# KiCad board Lime_RFE.kicad_pcb (continued)
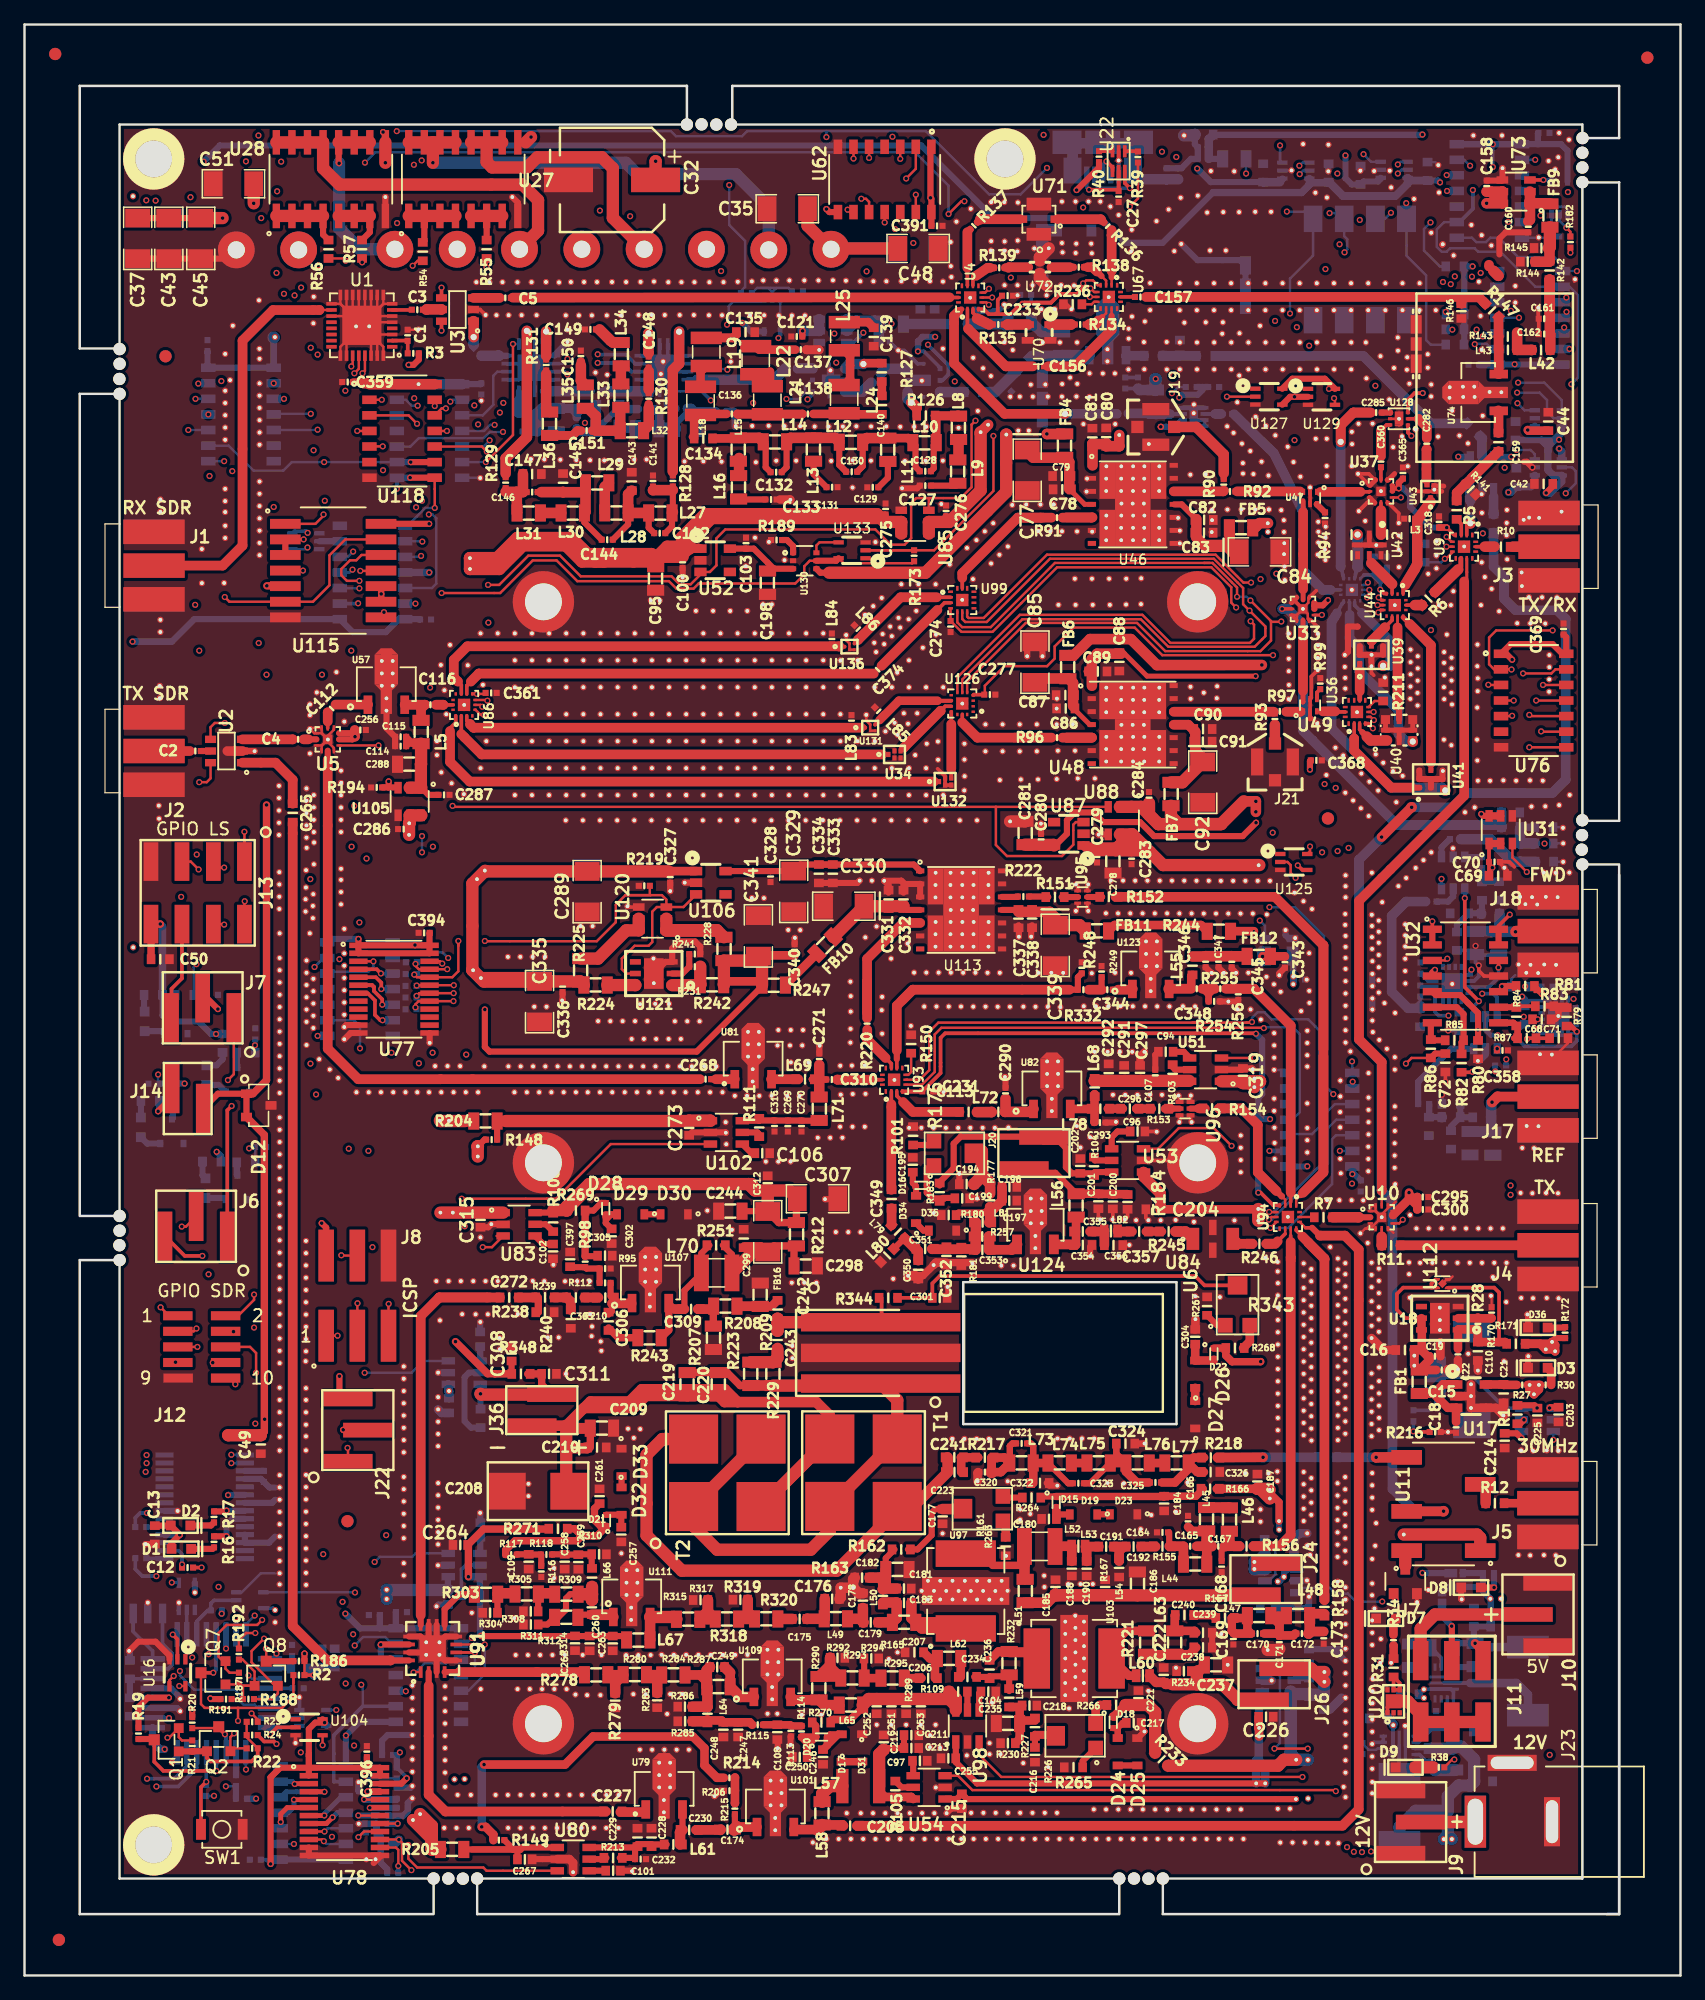
[diagram p0: board, top side]
## Routing (per net, layer and track width the routed paths; a pad name or vN(x,y) marks a point on that pad's centre or on a via; arc(x,y) is an arc through that point) (continued)
/RX_L/LNA_EN_2V5: length 42.5
  SIG1 w0.2: v1(59.4,128.16) 58.36,127.12 44.93,127.12 43.6,125.8 v1(39.01,125.8)
  SIG2 w0.2: v1(59.4,128.16) 59.4,130.83 57.27,132.96 v1(57.27,134.54)
  B w0.2: v1(39.01,125.8) 37.94,125.8 37.43,125.29 32.15,125.29 31.46,124.61 U60.10 ; v1(57.27,134.54) 57.4,134.67 57.4,136.04 57.78,136.42 60.04,136.42 U64.1
/RX_L/LNA_L/LNA_EN: length 9.8
  SIG1 w0.2: v1(61.46,133.45) 61.94,132.96 67.46,132.96 v1(68.38,133.88)
  B w0.2: v1(61.46,133.45) 61.6,133.59 U64.4
  B w0.3: v1(68.38,133.88) 67.58,133.08 U65.3
/RX_L/LNA_L/RF_OUT: length 2
  B w0.86: U63.6 74.65,129.04 R125.1
/RX_L/Notch/IN: length 3.4
  T w0.7: TRANS_VIA.1 72.73,127.75 R126.2
  T w0.86: 72.73,127.75 TRANS_VIA.1 ; 72.73,127.79 72.31,128.21
  B w0.86: TRANS_VIA.1 71.99,128.5 U63.1
/RX_L/Notch/OUT: length 3.2
  T w0.7: TRANS_VIA#2.1 68.45,131.4 R127.1
  B w0.86: U61.1 67.26,131.33 TRANS_VIA#2.1
/RX_L/NOTCH_2V5: length 44.2
  T w0.2: U62.3 v1(71.39,148.05)
  SIG1 w0.2: v1(73.65,132.9) 71.46,135.1 66.63,135.1 66.02,134.49 v1(66.02,133.82)
  SIG2 w0.2: v1(71.39,148.05) 73.27,146.17 73.27,137.43 73.65,137.05 v1(73.65,132.9) ; 62.11,133.8 62.71,134.39 ; 62.11,133.8 62.83,134.51 65.32,134.51 v1(66.02,133.82) ; 62.11,133.8 v1(62.11,128.48)
  B w0.2: v1(62.11,128.48) 63.14,128.48 63.62,128.96 63.62,129.48 64.16,130.02 U61.5
  B w0.3: v1(73.65,132.9) 75.3,131.25 75.3,130.48 74.83,130 U63.5
/RX_L/RF_L_IN: length 22.8
  B w0.79: 97.11,131.98 104.23,131.99 109.14,131.99 114.64,126.5 C294.1
/RX_L/RF_L_OUT: length 2.1
  B w0.5: U58.16 38.67,132.01 ; 37.26,132.01 C117.1 37.26,132.01
  B w0.86: 38.67,132.01 38.67,132.02 C117.1
/SCL: length 41.3
  T w0.2: v1(11.65,19.38) 11.79,19.38 Q1.S 12.57,19.42 12.84,19.15 R21.1 ; v1(12.31,49.98) 12.34,49.96 J12.7
  SIG1 w0.2: v1(11.65,19.38) 8.81,19.38 8.3,19.88 8.3,24.81 9.11,25.62 9.11,27.05 8.35,27.81 8.35,49.27 9.06,49.98 v1(12.31,49.98)
/SDA: length 35.2
  T w0.2: v1(17.09,19.73) 16.78,19.42 Q2.S 17.02,18.51 R22.1 ; v1(15.35,49.94) 15.36,49.96 J12.8
  SIG2 w0.2: v1(15.35,49.94) 15.65,49.64 15.65,35.62 16.68,34.59 16.68,28.61 17.04,28.25 17.04,26.04 16.78,25.79 16.78,20.04 v1(17.09,19.73)
/SW1_A: length 39.6
  T w0.2: U115.4 v1(22.7,114.5)
  T w0.3: v1(33.99,134.05) U3.6
  SIG1 w0.2: v1(22.01,136.93) 22.75,136.93 23.36,137.54 32.25,137.54 33.44,136.34 33.44,134.6 v1(33.99,134.05)
  SIG2 w0.2: v1(22.7,114.5) 22.01,115.18 v1(22.01,136.93)
/SW1_B: length 36
  T w0.2: U115.2 v1(22.75,117.04)
  T w0.3: v1(33.99,137.55) U3.4
  T w0.5: U115.2 U115.3
  SIG1 w0.2: v1(33.99,137.55) 33.5,138.04 23.03,138.04 v1(22.55,137.56)
  SIG2 w0.2: v1(22.75,117.04) 22.55,117.24 v1(22.55,137.56)
/SW2_V1: length 68.6
  T w0.2: v1(78.62,137.46) 78.31,137.15 U4.7
  SIG1 w0.2: v1(21.15,128.49) 21.13,128.49 ; v1(21.15,137.05) 22.54,138.44 35.34,138.44 36.31,137.46 v1(78.62,137.46)
  SIG2 w0.2: v1(21.15,137.05) v1(21.15,128.49)
  B w0.2: U117.3 v1(21.15,128.49)
/SW2_V2: length 76.7
  T w0.2: U4.6 v1(78.88,136.75)
  SIG1 w0.2: 30.96,132.66 v1(23.34,132.66) 30.96,132.66 ; 30.96,132.66 31.54,133.24 34.64,133.24 35.22,132.66 38.12,132.66 39.97,134.51 39.97,136.7 40.4,137.13 75.15,137.13 76.12,136.16 77.61,136.16 78.2,136.75 v1(78.88,136.75)
  SIG2 w0.2: v1(23.34,132.66) v1(23.34,127.27)
  B w0.2: v1(23.34,127.27) 20.36,127.27 U117.4
/SW2_V3: length 68.8
  T w0.2: v1(78.61,136.15) 78.41,136.35 U4.5
  SIG1 w0.2: v1(23.89,132.1) 30.93,132.1 31.64,132.81 34.44,132.81 35.02,132.23 38.35,132.23 41.17,135.05 41.17,136.37 41.55,136.75 74.9,136.75 75.86,135.78 78.24,135.78 v1(78.61,136.15)
  SIG2 w0.2: v1(23.89,132.1) v1(23.89,125.98)
  B w0.2: U117.5 23.87,125.95 v1(23.89,125.98)
/SW3_A: length 37.5
  T w0.2: v1(27.3,113.66) 26.28,113.66 25.82,114.12 25.82,114.63 26.54,115.34 27.04,115.34 27.48,115.77 U115.12 ; v1(14.24,97.25) 14.85,97.25 15.16,97.56 U2.6
  SIG1 w0.2: v1(14.24,107.97) v1(26.64,107.97)
  SIG2 w0.2: v1(26.64,107.97) 26.64,113.3 26.99,113.66 v1(27.3,113.66) ; v1(14.24,97.25) v1(14.24,107.97)
/SW3_B: length 29
  T w0.2: v1(16.32,112.34) 16.71,111.96 U115.6 23.51,111.96 24.86,113.3 24.86,115.74 26.15,117.04 U115.13 ; v1(16.32,102.08) 15.51,102.08 15.16,101.73 U2.4
  SIG2 w0.2: v1(16.32,102.08) v1(16.32,112.34)
/SW4_CTRL: length 22.7
  T w0.2: U5.7 28.86,100.24 v1(28.86,100.25)
  SIG2 w0.2: v1(32.33,115.69) 31.72,115.08 31.72,113.2 32.44,112.48 32.44,111.44 31.97,110.97 31.97,102.17 30.05,100.25 v1(28.86,100.25)
  B w0.2: v1(32.33,115.69) 32.25,115.62 U116.10
/SW5_A: length 122.4
  T w0.2: v1(29.3,111.11) 29.06,110.87 U115.8
  SIG1 w0.2: v1(31.77,128.54) 32.61,128.54 35.19,131.13 40.55,131.13 43.48,134.06 43.48,135.68 43.6,135.81 74.01,135.81 75.86,133.96 75.86,132.41 79.11,129.15 86.3,129.15 86.76,129.61 95.01,129.61 95.37,129.97 97.48,129.97 98.56,128.88 99.7,128.88 102.62,125.95 107.24,125.95 107.89,125.3 108.66,125.3 109.31,125.95 112.19,125.95 112.93,126.69 113.8,126.69 114.54,125.95 115.66,125.95 115.93,125.68 115.93,124.62 116.06,124.49 116.88,124.49 117.6,123.77 v1(121.2,123.77)
  SIG2 w0.2: v1(31.77,128.54) 31.51,128.29 31.51,124.53 30.75,123.77 30.75,121.84 31.03,121.56 31.03,117.09 30.19,116.25 30.19,112 v1(29.3,111.11)
  B w0.5: v1(121.2,123.77) 121.2,123.77 U8.6
/SW5_B: length 104.7
  T w0.5: 29.08,111.97 29.08,113.22 U115.10 29.06,112.61 v1(29.08,112.59) 29.08,111.97 ; 29.08,111.97 U115.9 29.08,111.97
  SIG1 w0.2: v1(29.23,122.68) 29.33,122.78 34.92,122.78 36.47,121.23 39.9,121.23 41.45,122.78 83.43,122.78 84.63,123.97 99.44,123.97 99.69,123.72 100.27,123.72 100.55,124 116.07,124 116.29,123.77 v1(116.88,123.77)
  SIG2 w0.2: 29.23,112.75 v1(29.08,112.59) 29.23,112.75 ; 29.23,112.75 v1(29.23,122.68)
  B w0.3: U8.4 v1(116.88,123.77)
  B w0.5: U8.4 v1(116.88,123.77)
/SW6_V2: length 255.5
  T w0.2: v1(24.3,18.77) 24.3,19.57 U104.4 ; U9.6 v1(115.92,116.44)
  SIG1 w0.2: v1(19.3,143.23) 19.65,143.58 45.61,143.58 47.47,145.44 68.98,145.44 74.36,140.05 75.51,140.05 76.22,139.34 87.37,139.34 88.05,140.03 94.67,140.03 95.74,141.09 v1(107.21,141.09)
  SIG2 w0.2: v1(19.3,143.23) 19.3,139.14 18.1,137.94 18.1,110.51 21,107.62 21,98.27 20.26,97.53 20.26,31.61 21,30.87 21,28.9 24.96,24.94 24.96,19.43 v1(24.3,18.77) ; 115.78,116.3 113.89,116.3 113.58,116.61 113.58,124.9 114.2,125.52 114.2,127.14 113.12,128.21 113.12,129.26 113.58,129.72 113.58,134.26 112.82,135.02 112.82,140.1 111.83,141.09 v1(107.21,141.09) ; 115.78,116.3 v1(115.92,116.44) 115.78,116.3
/SW6_V3: length 252
  T w0.2: v1(115.93,117.24) 116.33,116.84 U9.5
  SIG1 w0.2: v1(20.59,145.41) 37.33,145.41 38.37,146.45 69.92,146.45 74.62,141.75 78,141.75 78.38,142.13 89.48,142.13 91.03,143.68 92.5,143.68 93.11,143.07 v1(108.86,143.07)
  SIG2 w0.2: v1(20.59,145.41) 20.03,144.85 20.03,139.31 18.53,137.82 18.53,110.69 21.4,107.82 21.4,29.26 25.42,25.24 v1(25.42,21.64) ; v1(108.86,143.07) 110.51,143.07 113.23,140.36 113.23,135.33 113.94,134.62 113.94,129.61 113.42,129.1 113.42,128.55 114.5,127.47 114.5,125.2 113.94,124.63 113.94,117.98 114.47,117.45 115.73,117.45 v1(115.93,117.24)
  B w0.2: v1(25.42,21.64) 25.42,21.64 U108.4
/SW7_CTRL: length 174.7
  T w0.2: v1(112.36,61.59) 112.07,61.29 U10.7
  SIG1 w0.2: v1(14.99,127.22) 15,127.22 ; v1(112.36,61.59) 111.55,60.78 111.55,60.35 110.33,59.13 106.98,59.13 106.61,58.76 101.95,58.76 101.71,58.99 101,58.99 100.04,58.03 86.05,58.03 85.51,58.57 75.51,58.57 72.71,55.77 53.97,55.77 52.03,53.83 49.86,53.83 46.53,57.17 23.64,57.17 23.41,57.4 15.26,57.4 v1(15,57.15)
  SIG2 w0.2: v1(15,57.15) 14.99,57.16 14.99,75.98 14.66,76.31 14.66,78.07 14.99,78.4 14.99,117.74 14.55,118.18 14.55,126.79 v1(14.99,127.22)
/SWR_EN: length 150
  T w0.2: v1(122.47,89.94) 121.3,91.11 U31.3
  SIG1 w0.2: v1(122.47,89.94) 121.1,91.31 116.2,91.31 115.44,92.07 112.18,92.07 111.09,90.98 29.1,90.98 28.57,90.44 27.48,90.44 26.56,91.36 v1(14.04,91.36)
  SIG2 w0.2: v1(14.04,91.36) 13.35,92.05 13.35,121.09 12.93,121.51 12.93,125.53 v1(13.35,125.95)
  B w0.2: v1(13.35,125.95) U117.10
/SWR_Meter_Subsystem/SW_A: length 28.9
  T w0.3: v1(103.8,90.47) 104.17,90.1 U125.4
  SIG1 w0.2: v1(115.52,89.37) 113.47,89.37 112.37,90.47 v1(103.8,90.47)
  SIG1 w0.3: v1(118.83,80.01) 118.35,80.01
  SIG1 w0.4: v1(118.83,80.01) 118.35,80.01
  SIG2 w0.5: v1(115.52,89.37) 116.71,88.18 116.71,81.48 118.17,80.01 v1(118.83,80.01)
  B w0.3: v1(118.83,80.01) 119.74,80.01 120.05,79.7 U30.6 ; U29.6 v1(115.52,89.37)
/SWR_Meter_Subsystem/SW_B: length 140
  T w0.2: v1(103.62,89.45) 103.22,89.86 103.22,90.5 102.96,90.75 U125.2
  T w0.3: v1(118.56,79.4) 117.42,80.55 v1(117.42,87.8)
  SIG1 w0.2: v1(23.3,89.35) 23.86,88.79 31.3,88.79 31.68,88.41 37.29,88.41 39.23,90.35 99.63,90.35 100.08,89.9 103.18,89.9 v1(103.62,89.45) 105.93,87.15 110.02,87.15 110.25,86.91 113.1,86.91 113.99,87.8 v1(117.42,87.8)
  SIG2 w0.2: v1(23.07,116.38) 23.34,116.11 23.34,105.58 22.2,104.45 22.2,89.96 22.81,89.35 v1(23.3,89.35)
  B w0.2: v1(23.07,116.38) 22.93,116.24 U114.4
  B w0.3: v1(118.56,79.4) 118.15,79 U30.4 ; v1(117.42,87.8) U29.4
/SWR_SW_A: length 1.7
  B w0.5: U114.2 U116.6
/TOP_CTR_1/SW1_2V5: length 20.9
  T w0.2: v1(24.38,119.07) 24.38,118.97 23.72,118.31 U115.1
  SIG1 w0.2: v1(24.38,119.07) 24.43,119.12 32.91,119.12 v1(32.96,119.07)
  B w0.2: U116.12 33.22,113.08 33.57,113.43 33.57,118.77 33.27,119.07 v1(32.96,119.07)
/TOP_CTR_1/SW3_2V5: length 18
  T w0.6: U115.5 21.24,113.25 v1(19.75,113.25)
  SIG1 w0.6: v1(19.75,113.25) 24.28,113.25 26.36,115.34 28.44,115.34 29.43,114.35 v1(32.99,114.35)
  B w0.6: v1(32.99,114.35) U116.11
/TOP_CTR_1/SW5_2V5: length 34.7
  T w0.2: U115.11 29.04,114.47 v1(27.37,114.47)
  SIG1 w0.2: v1(27.37,114.47) 24.61,111.7 v1(13.91,111.7)
  SIG2 w0.2: v1(13.91,111.7) 13.94,111.73 13.94,121.24 13.31,121.86 13.31,125.08 13.94,125.7 v1(13.94,128.49) ; v1(27.37,114.47) 27.37,114.5
  B w0.2: U117.12 v1(13.94,128.49)
/TX_H2/LPF30/IN: length 2.7
  T w0.5: 77.73,42.22 77.75,42.21 ; 76.36,42.21 76.35,42.22
  T w0.7: 77.75,42.21 77.73,42.22 76.35,42.22 76.36,42.21 76.36,41.02
/TX_H2/LPF145/IN: length 1.2
  T w0.5: 92.21,34.95 92.23,34.97
  T w0.79: C192.1 92.21,34.95
/TX_H2/LPF145/OUT: length 28.6
  T w0.2: 103.22,60.81 103.22,60.29
  T w0.3: 103.22,60.29 103.22,59.78
  T w0.79: 103.22,58.53 103.22,58.29 ; 103.22,58.53 103.22,59.78 ; 103.22,58.53 103.22,35.88 102.32,34.98 100.17,34.98
/TX_H2/LPF435/IN: length 1.9
  T w0.7: R157.1 96.88,29.37 C240.1
/TX_H2/LPF435/OUT: length 33.2
  T w0.2: 103.67,60.81 103.67,60.69
  T w0.3: 104.17,60.23 103.67,60.73 103.67,60.81 ; 104.67,59.73 104.67,59.7
  T w0.79: 104.67,59.7 105.97,58.4 105.97,58.33 ; 105.97,58.33 105.97,58.43 104.17,60.23 ; 105.97,58.33 105.97,30.58
/TX_H2/LPF1280/IN: length 1.3
  T w0.7: 92.73,60.63 91.42,60.63
/TX_H2/LPF1280/OUT: length 2.3
  T w0.2: 102.77,60.45 102.77,60.81
  T w0.3: 102.16,59.83 102.77,60.45
  T w0.79: 102.16,59.83 101.96,59.63 101.22,59.63
/TX_H2/LPF2400/IN: length 1.6
  T w0.5: 83.46,87.89 83.42,87.93 R222.2
/TX_H2/LPF2400/OUT: length 58.7
  T w0.2: 104.04,63.6 104.04,63.6 103.67,63.24 U94.1
  T w0.5: 104.38,63.81 104.25,63.81 104.04,63.6 ; 105.89,65.45 105.89,65.56
  T w0.79: 105.89,74.89 105.89,65.45 104.23,63.79 ; 105.89,83.95 101.94,87.91 88.94,87.91 ; 105.89,83.95 105.89,75.5 ; 105.89,83.95 105.89,65.56
/TX_H2/LPF3500/IN: length 1.3
  T w0.7: 91.9,70.64 90.64,70.64 90.63,70.65
/TX_H2/LPF3500/OUT: length 11.9
  T w0.2: 102.08,63.93 102.06,63.93 102.08,63.93 ; 102.08,63.93 102.77,63.23 U94.3
  T w0.5: 102.06,63.93 102.49,63.5 102.51,63.5
  T w0.79: 97.36,70.66 99.2,70.66 100.54,69.32 100.54,65.45 102.06,63.93
/TX_H2/PA1_EN_2V5: length 2.9
  T w0.3: v1(29.06,81.66) 28.71,82.01 U77.4
  B w0.3: v1(29.06,81.66) 29.06,81.66 U75.3
/TX_H2/PA1_EN_5V: length 42.4
  T w0.2: v1(37.53,84.31) 37.55,84.29 46.65,84.29 48.2,85.84 48.2,87.26 48.99,88.04 ; 35.37,83.93 35.37,81.85 34.88,81.36 U77.20 ; 35.37,83.93 35.37,84.18 ; 35.37,83.93 v1(35.37,84.31) ; U106.3 53.72,87.08 U120.3 ; 48.99,88.04 51.01,88.04 50.98,88.08 R219.2 ; 48.99,88.04 51.96,88.04 52.32,87.68 U120.3 ; U120.3 51.55,87.08 51.17,86.7 51.17,84.22 50.87,83.92 49.74,83.92 48.7,82.88 48.7,82.01 49.05,81.66 U121.5 ; U120.3 52.32,87.12 ; 32.2,81.35 33.01,81.35 U77.20 ; v1(31.77,81.57) 31.99,81.36 U77.20
  SIG1 w0.2: v1(37.53,84.31) v1(35.37,84.31)
  B w0.2: v1(31.77,81.57) 31.81,81.61 R160.2
/TX_H2/PA2_EN_2V5: length 3.5
  T w0.3: U77.5 28.64,81.36 29.09,80.91 v1(29.09,80.39)
  B w0.3: v1(29.09,80.39) 29.09,80.39 U75.4
/TX_H2/PA2_EN_5V: length 76.5
  T w0.2: v1(34.99,80.7) 34.99,80.71 U77.19 ; 32.19,80.7 33.01,80.7 U77.19 ; v1(31.97,80.68) 32,80.71 U77.19
  SIG1 w0.2: v1(100.7,85.97) 100.7,87.1 100.22,87.59 85.78,87.59 80.94,82.75 71.76,82.75 70.82,83.69 37.51,83.69 34.99,81.17 v1(34.99,80.7)
  B w0.2: v1(31.97,80.68) 31.96,80.67 R164.2 ; v1(100.7,85.97) 101.12,85.56 U122.3
/TX_H2/PA3_EN_2V5: length 5.1
  T w0.3: v1(29.16,79.12) 29.16,79.55 28.49,80.23 28.49,80.54 ; 28.05,80.71 28.35,80.71 28.49,80.57 28.49,80.54 ; 28.05,80.71 U77.6 27.94,80.71 ; 28.05,80.71 28.32,80.71 28.49,80.54
  B w0.3: v1(29.16,79.12) U75.5
/TX_H2/PA3_EN_5V: length 86.4
  T w0.2: U77.18 32.17,80.06 ; U77.18 32.18,80.06 v1(31.97,79.84) ; U77.18 v1(34.98,80.06) ; U51.3 v1(100.28,74.77)
  SIG1 w0.2: v1(100.28,74.77) 100.79,74.27 102.13,74.27 102.49,74.62 102.49,77.69 101.64,78.53 100.53,78.53 100.2,78.2 98.44,78.2 98.27,78.38 71.7,78.38 70.82,79.26 59.24,79.26 55.16,75.18 37.17,75.18 36.01,76.34 36.01,79.56 35.51,80.06 v1(34.98,80.06)
  B w0.2: v1(31.97,79.84) 31.96,79.84 R169.2
/TX_H2/PA4_EN_2V5: length 4.4
  T w0.3: v1(29.19,77.85) 29,77.85 28.57,78.28 28.57,79.46 27.97,80.06 U77.7
  B w0.3: v1(29.19,77.85) 29.19,77.85 U75.6
/TX_H2/PA4_EN_5V: length 102.2
  T w0.2: v1(98.4,67.61) 96.96,69.06 94.1,69.06 92.42,67.38 U53.3 ; v1(34.97,79.41) 34.97,79.41 U77.17 ; 32.17,79.41 33.01,79.41 U77.17 ; v1(31.87,78.9) 31.87,79.15 32.12,79.41 U77.17
  SIG1 w0.2: v1(35.88,61.06) 37.41,61.06 38.41,60.05 64.58,60.05 72.66,68.13 72.66,69.82 73.25,70.4 81.63,70.4 82.49,69.54 84.55,69.54 85.62,70.61 91.79,70.61 93.43,68.97 97.05,68.97 v1(98.4,67.61)
  SIG2 w0.2: v1(35.88,61.06) 36.21,61.39 36.21,70.28 35.48,71.01 35.48,72.41 34.97,72.92 v1(34.97,79.41)
  B w0.2: v1(31.87,78.9) 31.96,78.81 R195.2
/TX_H2/PA5_EN_2V5: length 3.7
  T w0.4: v1(24.44,13.04) 24.43,13.03 U78.7
  B w0.4: v1(24.44,13.04) 24.44,13.17 25.8,14.53 U92.10
/TX_H2/PA5_EN_5V: length 118.1
  T w0.2: v1(30.42,12.38) 30.42,12.38 U78.17 ; v1(106.9,15.02) 106.81,15.11 77.27,15.11 76.1,16.28 U54.3
  SIG1 w0.2: v1(107.82,10.46) 107.42,10.07 33.51,10.07 31.2,12.38 v1(30.42,12.38)
  SIG2 w0.2: v1(106.9,15.02) 106.9,13.91 107.82,13 v1(107.82,10.46)
  B w0.5: v1(30.42,12.38) 30.4,12.35 R200.2
/TX_H2/PA6_EN_2V5: length 3.4
  T w0.4: v1(25.11,12.89) 24.61,12.38 U78.8
  B w0.4: v1(25.11,12.89) 25.48,13.26 U92.11
/TX_H2/PA6_EN_5V: length 108.5
  T w0.2: v1(27.22,11.27) 27.68,11.73 U78.16 ; v1(104.62,18.49) v1(101.9,18.49)
  SIG1 w0.2: v1(109.03,10.05) 108.39,9.41 29.57,9.41 27.7,11.27 v1(27.22,11.27)
  SIG2 w0.2: v1(104.62,18.49) 106.09,17.01 108.35,17.01 109.03,16.33 v1(109.03,10.05)
  B w0.2: v1(101.9,18.49) 102.34,18.93 102.34,24.44 101.75,25.03 100.62,25.03 ; 27.6,11.65 v1(27.22,11.27) 27.6,11.65 ; 27.6,11.65 R201.2
/TX_H2/PA7_EN_2V5: length 3.1
  T w0.2: v1(24.45,11.73) U78.9
  B w0.2: v1(24.45,11.73) 24.71,11.99 U92.12
/TX_H2/PA7_EN_5V: length 113.3
  T w0.2: v1(31.54,8.58) 30.77,9.35 30.77,10.82 v1(30.52,11.07) 30.51,11.08 U78.15
  SIG1 w0.2: v1(109.77,10.1) 108.73,9.06 32.02,9.06 v1(31.54,8.58)
  SIG2 w0.2: v1(110.69,30.48) 109.73,30.48 109.36,30.11 109.36,10.51 v1(109.77,10.1)
  B w0.2: v1(110.69,30.48) 108.54,30.48 107.89,31.12 106.88,31.12 106.41,31.59 104.11,31.59 U50.3
  B w0.7: v1(30.52,11.07) 30.15,10.69 R202.2
/TX_H2/PA8_EN_2V5: length 3.2
  T w0.2: v1(24.4,10.94) 24.26,11.08 U78.10
  B w0.2: v1(24.4,10.94) 24.63,10.72 U92.13
/TX_H2/PA8_EN_5V: length 56.6
  T w0.2: v1(30.47,8.92) 30.47,10.23 30.27,10.43 U78.14
  SIG1 w0.2: v1(30.47,8.92) 27.13,8.92 25.06,10.99 v1(25.06,11.3)
  SIG2 w0.2: v1(27.73,49.12) 27.73,34.72 27.5,34.49 27.5,30.25 28.01,29.74 28.01,23.44 27.5,22.93 27.5,18.51 25.72,16.73 25.72,11.96 v1(25.06,11.3)
  B w0.2: v1(27.73,49.12) 31.55,49.12 32.51,50.08 U56.3
  B w0.3: v1(30.47,8.92) 30.46,8.92 R203.2
/TX_H2/PA30/RF_IN: length 3.1
  T w0.5: 56.16,54.52 R208.2
  T w0.6: 55.94,54.31 R208.2 56.16,54.52 R207.2
  T w0.79: 54.89,54.31 55.94,54.31
/TX_H2/PA145/RF_IN: length 1.2
  T w0.86: C175.2 R320.1
/TX_H2/PA435/RF_IN: length 1.4
  T w0.7: R295.1 73.13,24.23
/TX_H2/PA1000/RF_IN: length 2
  T w0.79: 54.74,11.86 56.73,11.86
  T w0.86: 56.73,11.86 56.76,11.89
/TX_H2/PA1000/RF_OUT: length 92.9
  T w0.2: U94.12 104.43,60.93
  T w0.3: 104.43,60.93 104.97,60.93
  T w0.5: 105.61,60.3 104.97,60.93
  T w0.79: 67.85,12.2 107.44,12.2 108.77,13.53 108.77,59.16 107.64,60.3 105.61,60.3
/TX_H2/PA1280/RF_IN: length 8.4
  T w0.2: 70.68,70.99 70.66,71.01
  T w0.3: 70.66,70.77 70.72,70.77 70.72,70.95 70.66,71.01 U93.2
  T w0.5: 70.66,71.01 70.68,70.99
  T w0.79: 70.66,64.03 70.66,71.01
/TX_H2/PA2400/RF_IN: length 4.6
  T w0.2: 70.66,74.31 70.2,74.78
  T w0.3: 70.2,74.78 70.66,74.31 U93.10
  T w0.79: 68.7,77.08 68.7,76.27 70.2,74.78
/TX_H2/PA2400/VREF: length 17.5
  T w0.5: 73,90.01 U113.1 72.5,90.54 C334.1 ; C334.1 C333.1 ; C334.1 63.24,90.54 C329.1 60.82,90.01 C328.1 60.81,90.01 U106.5
/TX_H2/PA3500/RF_IN: length 6.7
  T w0.2: 71.11,71.69 71.62,71.18
  T w0.3: 71.62,71.18 71.11,71.69 U93.3
  T w0.79: 71.62,71.18 72.42,70.38 C231.2
/TX_H2/PA4000/RF_IN: length 23.9
  T w0.2: 71.11,73.89 71.11,74.68
  T w0.3: 71.11,74.68 71.11,74.68 U93.9
  T w0.5: R248.1 85.87,81.36 R332.2 85.18,80.34 ; 71.11,74.68 71.11,75.39
  T w0.79: 72.42,80.34 71.55,79.47 ; 72.42,80.34 71.11,79.04 71.11,75.39 ; 72.42,80.34 85.18,80.34
/TX_H2/PA4000/RF_OUT: length 22.8
  T w0.2: 103.22,62.68 103.22,63.05 U94.2
  T w0.3: 103.22,63.05 103.22,63.81
  T w0.79: 100.22,80.42 103.22,77.41 103.22,63.81 ; 100.22,80.42 100.22,80.41 R256.1 ; 100.22,80.42 R255.1
/TX_H2/PDRIV30/RF_IN: length 36.4
  T w0.5: 32.32,29.38 32.3,29.36 U91.12
  T w0.79: 33.81,55.26 32.3,53.74 32.3,29.36 ; 33.81,55.26 37.92,55.26 ; 33.81,55.26 33.81,55.25 C272.2
/TX_H2/PDRIV145/RF_IN: length 4.2
  T w0.5: U91.9 34.25,29.85 35.47,31.07 R303.1
/TX_H2/PDRIV435/RF_IN: length 11.9
  T w0.5: U91.4 35.45,24.73
  T w0.79: 41.74,24.73 41.87,24.73 ; 41.74,24.73 35.45,24.73 ; 41.74,24.73 45.43,24.73
  T w0.86: 45.43,24.73 R278.1 45.43,24.73
/TX_H2/PDRIV1000/PRED_VDD: length 13.9
  T w0.5: R149.2 39.88,10.27 39.87,10.27 36.51,10.27 ; 40.57,10.43 40.41,10.27 40.31,10.27 40.18,10.14 C267.2 ; 40.57,10.43 40.41,10.27 R205.1 ; 40.57,10.43 U80.1
  T w0.6: 40.41,10.27 39.88,10.27
/TX_H2/PDRIV1000/RF_IN: length 25
  T w0.5: 32.95,23.6 32.95,23.61 U91.2
  T w0.79: 47.41,13.36 34.32,13.36 32.95,14.73 32.95,23.61
/TX_H2/PDRIV_1_EN_2V5: length 2.4
  T w0.4: v1(22.03,15.6) 22.05,15.63 U78.3
  B w0.4: v1(22.03,15.6) 21.83,15.8 U92.6
/TX_H2/PDRIV_1_EN_5V: length 26.6
  T w0.2: v1(31.29,10.64) 31.29,9.52 32.01,8.8 37.4,8.8 37.67,8.53 U80.3
  T w0.5: 27.98,14.98 v1(27.97,14.99) 28.97,14.99 U78.21 27.98,14.98
  SIG2 w0.2: 29.84,10.51 28.09,10.51 27.68,10.92 27.68,11.53 28.01,11.86 28.01,13.08 26.92,14.17 26.92,14.7 27.21,14.99 v1(27.97,14.99) ; 29.84,10.51 31.23,10.51 ; 29.84,10.51 31.16,10.51 v1(31.29,10.64)
  B w0.5: v1(27.97,14.99) 28.13,14.99
/TX_H2/PDRIV_2_EN_2V5: length 5
  T w0.4: v1(24.45,14.97) 24.44,14.98 U78.4
  B w0.4: v1(24.45,14.97) 21.32,14.97 U92.5
/TX_H2/PDRIV_2_EN_5V: length 129.4
  T w0.2: v1(27.68,14.35) 27.69,14.33 U78.20 ; v1(104.18,16.18) 104.18,16.18 79.63,16.18 77.82,17.98 U98.3
  SIG1 w0.2: v1(108.37,10.08) 108.01,9.71 29.95,9.71 29.02,10.64 29.02,13.99 28.67,14.35 v1(27.68,14.35)
  SIG2 w0.2: v1(104.18,16.18) 104.36,16 107.71,16 108.37,15.34 v1(108.37,10.08)
  B w0.5: R197.2 30.28,14.35 v1(27.68,14.35) 27.71,14.32 30.35,14.32
/TX_H2/PDRIV_3_EN_2V5: length 3.5
  T w0.4: v1(21.96,14.32) 21.97,14.33 U78.5
  B w0.4: v1(21.96,14.32) 21.96,13.74 21.48,13.26 U92.4 21.28,13.26
/TX_H2/PDRIV_3_EN_5V: length 30.6
  T w0.2: v1(28.15,13.66) 28.17,13.68 U78.19
  SIG2 w0.2: v1(28.54,33.7) 28.54,30.53 29.84,29.23 29.84,23.69 28.54,22.4 28.54,14.05 v1(28.15,13.66)
  B w0.2: v1(28.54,33.7) 28.96,34.12 31.6,34.12 31.88,34.4 U100.3
  B w0.5: R198.2 v1(28.15,13.66)
/TX_H2/PDRIV_4_EN_2V5: length 3.7
  T w0.4: v1(20.88,12.5) 20.88,13.15 21.41,13.68 U78.6
  B w0.4: v1(20.88,12.5) 20.88,12.5 U92.3
/TX_H2/PDRIV_4_EN_5V: length 63
  T w0.2: v1(27.21,13.04) 27.22,13.03 U78.18 ; v1(37.36,59.36) 38.11,59.36 U83.3 38.49,60.27
  SIG1 w0.2: v1(37.36,59.36) v1(28.36,59.36)
  SIG2 w0.2: v1(28.36,59.36) 28.36,34.56 28.01,34.21 28.01,30.45 28.42,30.04 28.42,23.13 28.01,22.73 28.01,18.28 27.93,18.28 27.96,18.26 28.01,18.26 26.31,16.56 26.31,13.64 26.9,13.04 v1(27.21,13.04)
  B w0.5: v1(27.21,13.04) 28.68,13.04 R199.2
/TX_H2/PDRIV_H_EN_2V5: length 5.6
  T w0.2: v1(28.44,82.65) 28.43,82.66 U77.3
  B w0.2: U75.12 24.84,81.81 28.03,81.81 28.44,82.22 v1(28.44,82.65)
/TX_H2/PDRIV_H_EN_5V: length 45.6
  T w0.2: v1(34.46,82.01) 34.45,82.01 U77.21 ; U77.21 32.14,82.01 31.87,82.27 v1(31.87,82.44) ; U77.21 33.01,82 32.2,82 ; U102.3 47.79,67.76 43.34,63.3 v1(35.64,63.3)
  SIG2 w0.2: v1(35.64,63.3) 35.64,69.55 34.49,70.71 34.49,72.77 34,73.25 34,75.33 34.46,75.79 v1(34.46,82.01)
  B w0.2: v1(31.87,82.44) 31.98,82.55 R159.2
/TX_H2/PREDRIVER_H/PRED_VDD: length 20.7
  T w0.5: C273.2 54.19,69.66 U102.1 ; 39.23,69.64 39.21,69.61 39.23,69.64 ; 39.23,69.64 R204.1 R148.2
  T w1: U102.1 55.9,69.67 C273.2 54.15,69.64 39.23,69.64
/TX_H2/PREDRIVER_H/RF_OUT: length 3.8
  T w0.1: 69,73 69,73
  T w0.2: 69.11,73 69,73
  T w0.3: U93.13 69.11,73
  T w0.79: 69.11,73 66.28,73 C310.2
/TX_H2/RF_30MHz_OUT: length 8.2
  T w0.79: 97.25,42.21 v1(100.97,42.23)
  B w0.79: R8.2 100.98,42.24
  B w0.86: 100.98,42.24 v1(100.97,42.23)
/TX_H2/RF_H_IN: length 55.9
  T w0.5: 24.72,93.7 24.72,93.51 ; 24.72,99.09 U5.5
  T w0.79: 24.72,99.09 24.72,75.53 27.21,73.04 33.92,73.04 33.92,73.05 C268.1
/TX_H2/RF_L_IN: length 76.1
  T w0.5: 29.84,25.68 U91.16
  T w0.79: 29.83,25.67 29.84,25.68 24.67,25.68 21.86,28.48 21.86,93.94
/TX_H2/RF_OUT: length 1
  T w0.2: 104.97,61.83 104.95,61.81 U94.13
/TX_H2/SW_IN_H_V2_2V5: length 50.8
  T w0.2: 95.43,77.66 95.21,77.66 95.7,77.66 ; v1(100.07,77.71) 100.07,77.66 ; v1(100.07,77.71) 100.07,77.66 ; v1(100.07,77.71) 100.07,77.66 ; v1(100.07,77.71) 100.02,77.66 99.6,77.66 ; 100.07,77.66 99.6,77.66 ; 99.6,77.66 95.7,77.66 ; 95.7,77.66 74.5,77.66 73.76,76.92 73.76,73.79 72.97,73 U93.6
  B w0.2: 105.23,77.34 105.54,77.03 105.54,69.15 104.97,68.58 103.03,68.58 U90.3 ; 105.23,77.34 105.15,77.43 ; 105.23,77.34 104.65,77.92 101.67,77.92 101.1,78.49 100.51,78.49 100.07,78.05 v1(100.07,77.71)
/TX_H2/SW_IN_H_V3_2V5: length 43.8
  T w0.2: v1(101.03,77.21) 101.01,77.24 74.74,77.24 74.2,76.69 74.2,73.64 73.17,72.6 U93.5
  B w0.2: v1(101.03,77.21) 101.11,77.29 103.4,77.29 103.97,76.72 103.97,70.35 103.36,69.74 U90.4
/TX_H2/SW_IN_L_V1_2V5: length 4.9
  T w0.2: v1(31.72,24.7) 31.75,24.73 U91.1
  B w0.2: v1(31.72,24.7) 31.87,24.7 32.61,25.43 34.36,25.43 34.68,25.75 U89.3
/TX_H2/SW_IN_L_V2_2V5: length 5.9
  T w0.2: 36.72,26.33 v1(36.72,26.31) 36.7,26.33 U91.6 36.72,26.33 ; 36.72,26.33 36.72,26.36 36.72,26.33
  B w0.2: v1(36.72,26.31) 36.72,24.84 36.37,24.48 U89.4
/TX_H2/SW_IN_L_V3_2V5: length 7.2
  T w0.2: v1(37.52,26.97) 37.52,26.98 U91.7
  B w0.2: U89.5 36.19,23.21 37.52,24.54 v1(37.52,26.97)
/TX_H2/SW_IN_L_V4_2V5: length 4.6
  T w0.2: 31.35,26.98 U91.14
  T w0.5: v1(29.04,26.96) 29.06,26.98 U91.14
  B w0.5: v1(29.04,26.96) 29.04,25.95 29.24,25.75 U89.12
/TX_H2/SW_OUT_V1_2V5: length 12.7
  T w0.2: v1(101.57,60.92) 102.05,61.4 U94.7
  B w0.2: U90.12 106.91,68.47 106.6,68.16 106.6,64.5 103.02,60.92 v1(101.57,60.92)
/TX_H2/SW_OUT_V2_2V5: length 12.6
  T w0.2: v1(101.44,61.6) 101.65,61.81 U94.6
  B w0.2: 101.45,61.6 v1(101.44,61.6) 101.68,61.6 106.27,66.19 106.27,69.07 106.94,69.74 U90.11
/TX_H2/SW_OUT_V3_2V5: length 13.6
  T w0.2: v1(101.47,62.23) 101.48,62.21 U94.5
  B w0.2: 105.16,65.55 101.83,62.23 v1(101.47,62.23) ; 105.16,65.55 105.4,65.79 ; 105.16,65.55 105.94,66.33 105.94,70.12 106.83,71.01 U90.10
/USB_DM: length 200.4
  T w0.2: R39.2 90.77,144.83 v1(90.11,144.17)
  SIG1 w0.2: v1(10.69,144.65) 12.16,144.65 13.45,145.94 37.11,145.94 38.05,146.88 70.22,146.88 74.8,142.31 77.84,142.31 78.01,142.48 89.21,142.48 89.48,142.74 ; 89.48,142.74 90.14,143.4 90.14,144.17 ; 89.48,142.74 90.11,143.38 v1(90.11,144.17) ; v1(90.11,144.17) 90.14,144.17 ; v1(90.11,144.17) 90.14,144.17 ; v1(90.11,144.17) 90.14,144.17 ; v1(16.86,41.75) v1(9.95,41.75)
  SIG2 w0.2: v1(9.95,41.75) 10.03,41.75 10.43,42.16 10.43,144.39 v1(10.69,144.65)
  B w0.2: U13.16 17.94,41.75 v1(16.86,41.75)
/USB_DP: length 193.9
  T w0.5: v1(85.77,145.51) 87.6,147.34 R40.2
  SIG1 w0.2: v1(16.86,42.44) 9.97,42.44 v1(9.95,42.41) ; v1(85.77,145.51) 85.16,144.9 85.16,144.06 83.89,142.79 76.98,142.79 72.33,147.44 51.86,147.44 51.86,147.42 51.66,147.21 37.86,147.21 36.95,146.3 13.15,146.3 12.01,145.16 10.41,145.16 v1(9.92,144.67)